# Altium PCB JTAG-批量下载V06.PcbDoc (part 10 of 13) (continued)
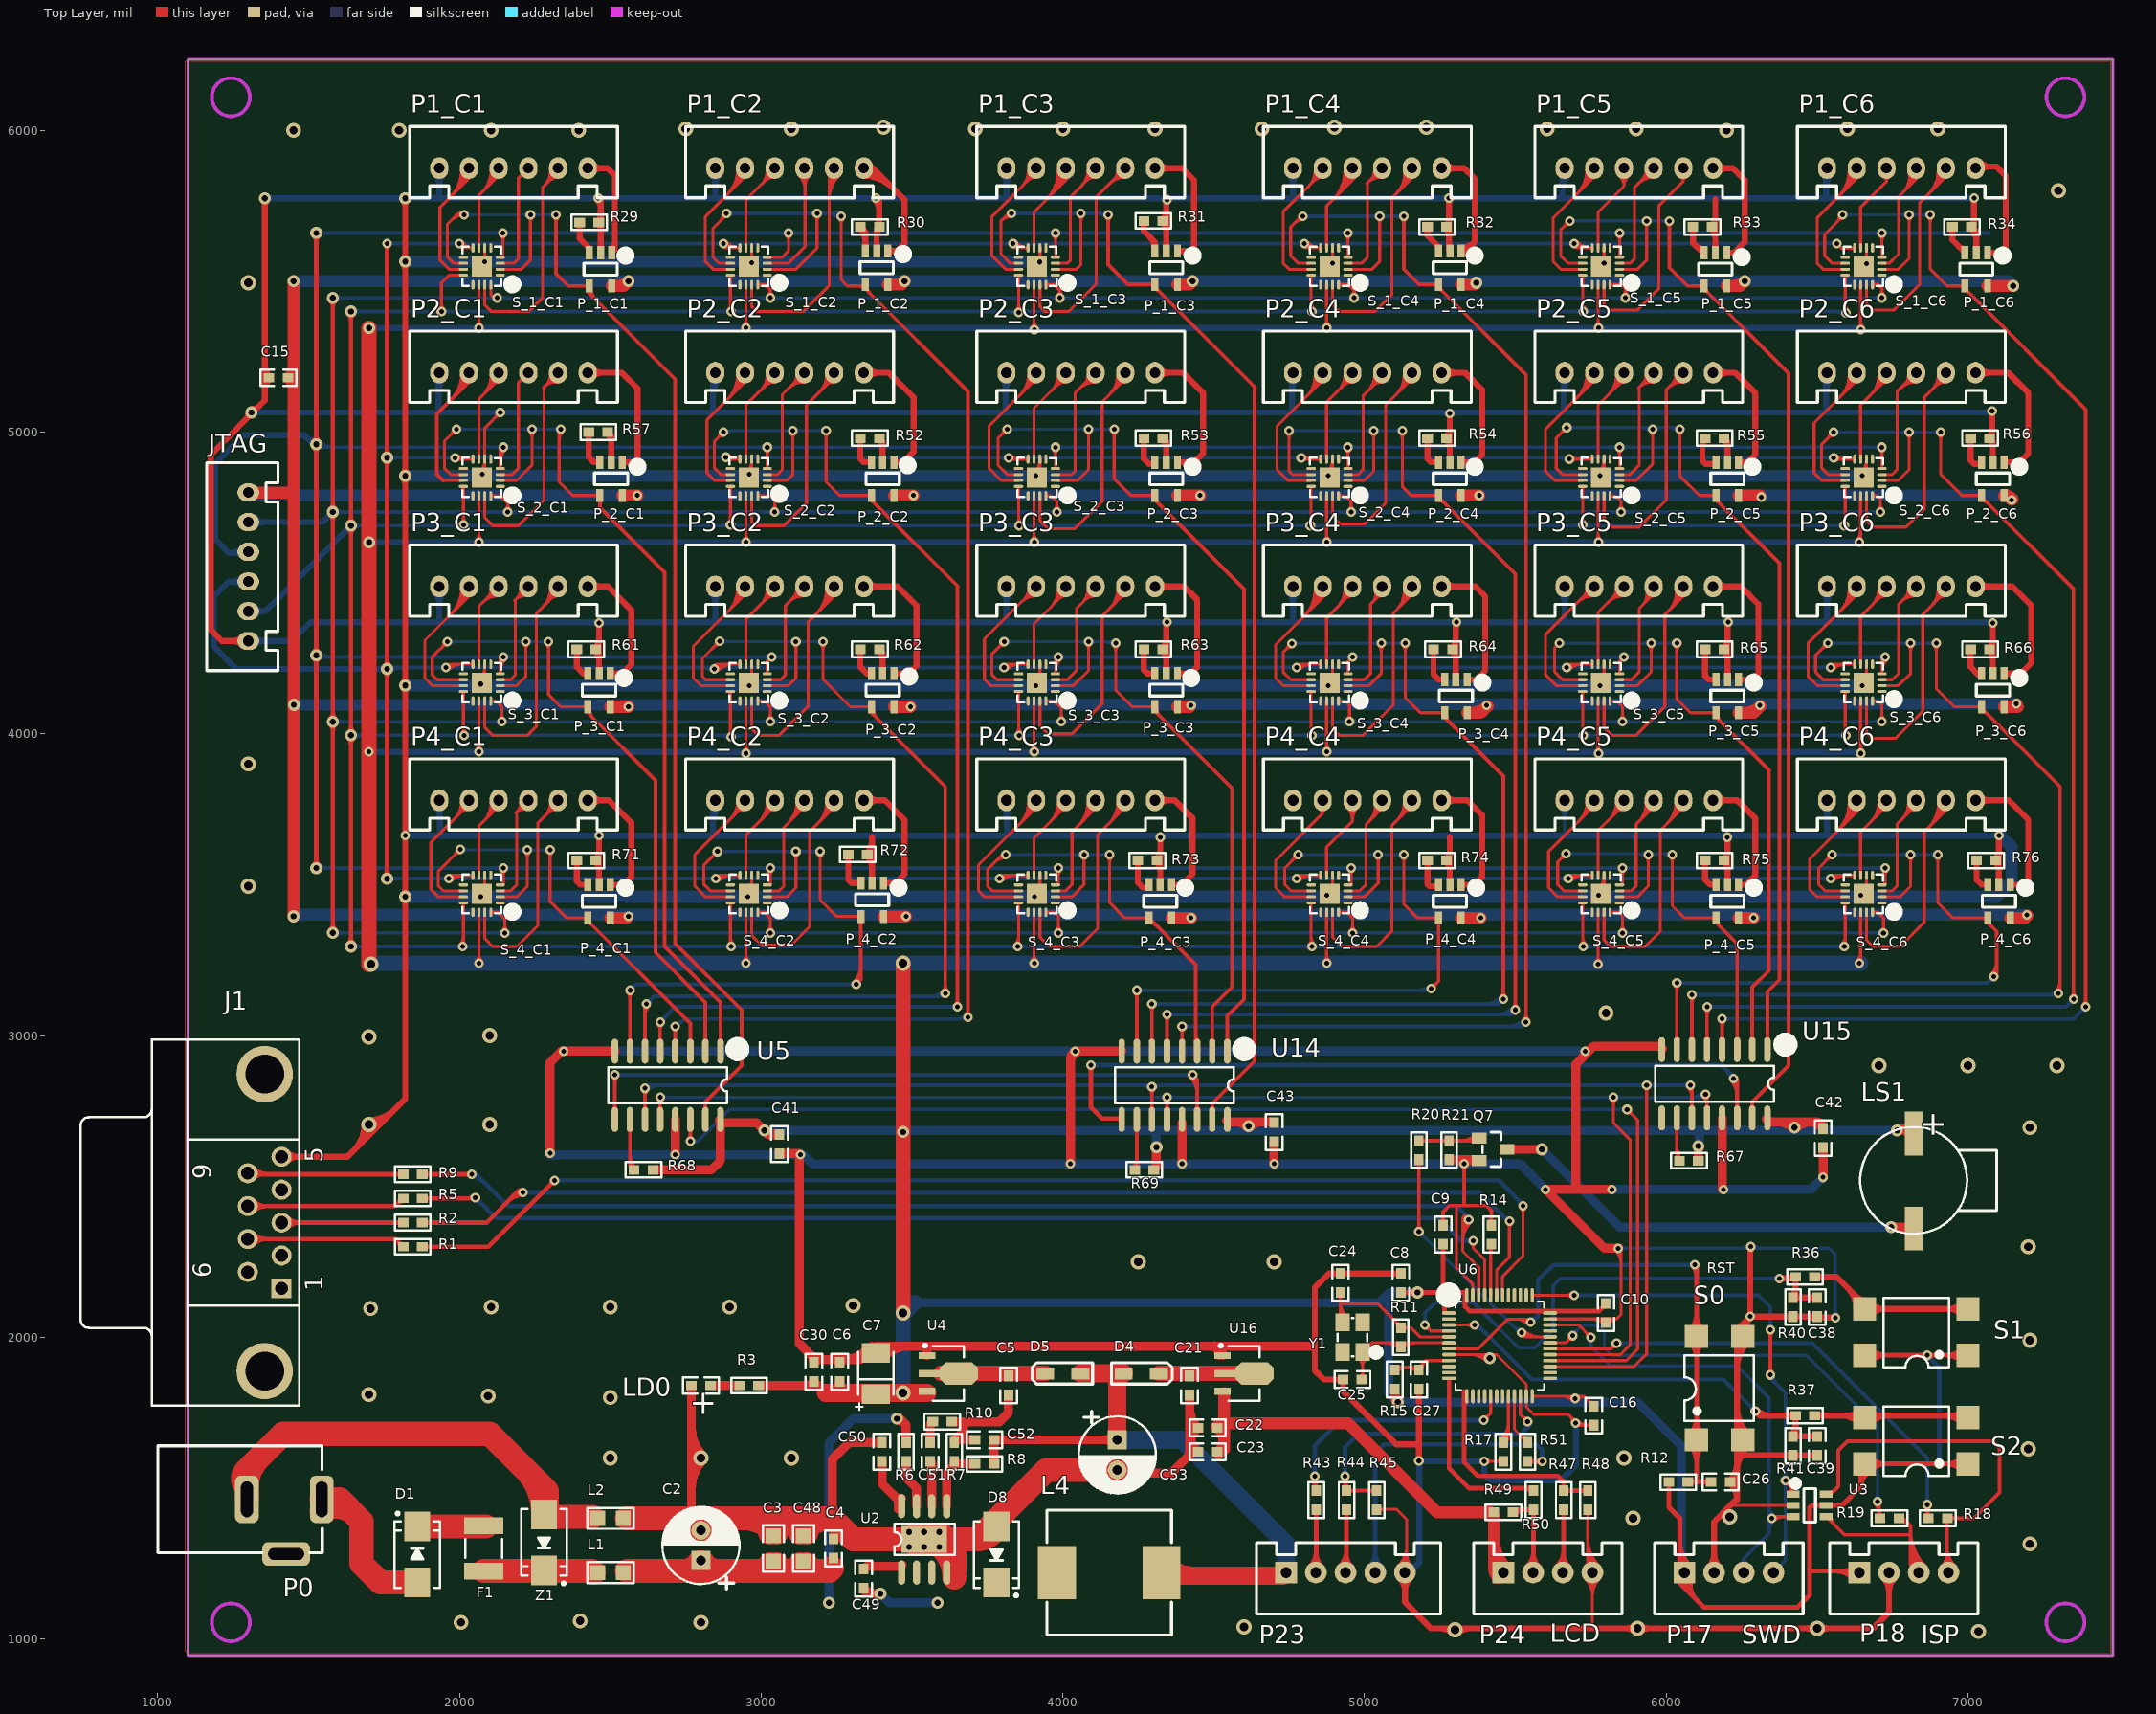
[diagram p0: Top Layer view]
## Nets (pads, with @x,y where several pads share a name; then routed paths per layer and width w, separated by ;. In a path a pad name is that pad's centre, name@x,y a point inside that pad or via, vN(x,y) a via of type N, cw(c..) or ccw(c..) an arc to the next point about the centre after c; other vN are vias at no path point) (continued)
  Bottom Layer w20: JTAG.5@1300,4406.3 1356.3,4406.3 v3(1640,4690) ; 1354.28,4406.3 ccw(c1354.28,4358.02) 1320.14,4392.16 cw(c1354.28,4358.02) 1354.28,4406.3 ; 1354.28,4406.3 cw(c1354.28,4454.58) 1320.14,4420.44 ccw(c1354.28,4454.58) 1354.28,4406.3 ; 1622.93,4672.93 ccw(c1605.86,4690) v3@1630,4690 ; 1622.93,4672.93 cw(c1640,4655.86) v3@1640,4680 ; 1622.93,4672.93 ccw(c1605.86,4690) v3@1630,4690 ; 1622.93,4672.93 cw(c1640,4655.86) v3@1640,4680 ; 1622.93,4672.93 ccw(c1605.86,4690) v3@1630,4690 ; 1622.93,4672.93 cw(c1640,4655.86) v3@1640,4680
  other v1: 2010,3295 2900,3295 3850,3295 4825,3295 5725,3295 6590,3295 2900,3990 2015,3995 3855,3995 4825,3995 5725,3995 6595,3995 3855,4690 4820,4690 6590,4690 6595,5395 2900,5400 4825,5400 5725,5400
JTAG_VDD: C15.1 JTAG.1 P_1_C1.5 P_1_C2.5 P_1_C3.5 P_1_C4.5 P_1_C5.5 P_1_C6.5 P_2_C1.5 P_2_C2.5 P_2_C3.5 P_2_C4.5 P_2_C5.5 P_2_C6.5 P_3_C1.5 P_3_C2.5 P_3_C3.5 P_3_C4.5 P_3_C5.5 P_3_C6.5 P_4_C1.5 P_4_C2.5 P_4_C3.5 P_4_C4.5 P_4_C5.5 P_4_C6.5 | length 28445.1
  Top Layer w40: JTAG.1@1300,4800 1445,4800 ; v3(1450,3395) v3(1450,5500) ; P_4_C1.5@2500,3389.76 v1@2554.76,3389.76 ; P_3_C1.5@2500,4089.76 v1@2559.76,4089.76 ; P_1_C1.5@2505,5484.76 2544.76,5484.76 v3(2560,5500) cw(c2523.22,5536.78) 2523.22,5484.76 ; P_2_C1.5@2540,4789.76 v1@2589.76,4789.76 ; P_4_C2.5@3405,3394.76 v1@3479.76,3394.76 ; P_1_C2.5@3420,5489.76 3464.76,5489.76 v3(3475,5500) ; P_3_C2.5@3440,4089.76 v1@3494.76,4089.76 ; P_2_C2.5@3440,4789.76 v1@3504.76,4789.76 ; P_4_C3.5@4360,3389.76 v1@4424.76,3389.76 ; P_3_C3.5@4380,4089.76 v1@4419.76,4089.76 ; P_2_C3.5@4380,4789.76 v1@4454.76,4789.76 ; P_1_C3.5@4380,5489.76 4419.76,5489.76 v3(4430,5500) ; P_4_C4.5@5320,3389.76 v1@5384.76,3389.76 ; P_2_C4.5@5320,4789.76 v1@5379.76,4789.76 ; P_1_C4.5@5320,5489.76 v3@5364.76,5489.76 ; P_3_C4.5@5340,4069.76 5384.76,4069.76 v1@5405,4090 ; P_1_C5.5@6200,5484.76 6244.76,5484.76 v3(6260,5500) ; P_4_C5.5@6240,3389.76 v1(6290,3389.76) ; P_3_C5.5@6240,4069.76 6289.76,4069.76 v1@6305,4085 ; P_2_C5.5@6240,4789.76 v1@6310.24,4789.76 ; P_1_C6.5@7065,5484.76 v3@7149.76,5484.76 ; P_3_C6.5@7120,4089.76 v1@7164.76,4089.76 ; P_4_C6.5@7140,3389.76 v1@7189.76,3389.76 ; v1(7145,4775) 7130.24,4789.76 P_2_C6.5@7120,4789.76 ; C15.1@1436.47,5176.99 ccw(c1403.81,5209.65) 1450,5209.65 ; C15.1@1436.47,5176.99 ccw(c1403.81,5209.65) 1450,5209.65 ; C15.1@1436.47,5176.99 ccw(c1403.81,5209.65) 1450,5209.65 ; C15.1@1436.47,5183.01 cw(c1403.81,5150.35) 1450,5150.35 ; C15.1@1436.47,5183.01 cw(c1403.81,5150.35) 1450,5150.35 ; C15.1@1436.47,5183.01 cw(c1403.81,5150.35) 1450,5150.35 ; 3450.29,5489.76 ccw(c3450.29,5524.71) v3(3475,5500) ; 3450.29,5489.76 ccw(c3450.29,5524.71) v3(3475,5500) ; 3450.29,5489.76 ccw(c3450.29,5524.71) v3(3475,5500) ; 4405.29,5489.76 ccw(c4405.29,5524.71) v3(4430,5500) ; 4405.29,5489.76 ccw(c4405.29,5524.71) v3(4430,5500) ; 4405.29,5489.76 ccw(c4405.29,5524.71) v3(4430,5500) ; 5353.73,4069.76 ccw(c5353.73,4146.27) v1@5407.83,4092.17 ; 5353.73,4069.76 ccw(c5353.73,4146.27) v1@5407.83,4092.17 ; 5353.73,4069.76 ccw(c5353.73,4146.27) v1@5407.83,4092.17 ; 6223.22,5484.76 ccw(c6223.22,5536.78) v3(6260,5500) ; 6223.22,5484.76 ccw(c6223.22,5536.78) v3(6260,5500) ; 6223.22,5484.76 ccw(c6223.22,5536.78) v3(6260,5500) ; 6258.73,4069.76 ccw(c6258.73,4146.27) v1@6312.83,4092.17 ; 6258.73,4069.76 ccw(c6258.73,4146.27) v1@6312.83,4092.17 ; 6258.73,4069.76 ccw(c6258.73,4146.27) v1@6312.83,4092.17 ; P_2_C6.5@7120,4788.11 cw(c7120,4759.41) v1@7140.3,4779.7 ; P_2_C6.5@7120,4788.11 cw(c7120,4759.41) v1@7140.3,4779.7 ; P_2_C6.5@7120,4788.11 cw(c7120,4759.41) v1@7140.3,4779.7 ; P_2_C6.5@7120,4789.76 cw(c7120,4751.35) v1@7147.91,4777.75 ; P_2_C6.5@7120,4789.76 cw(c7120,4751.35) v1@7147.91,4777.75 ; P_2_C6.5@7120,4789.76 cw(c7120,4751.35) v1@7147.91,4777.75 ; 7144.94,4089.76 ccw(c7144.94,4115.06) v1@7162.83,4097.17 ; 7144.94,4089.76 ccw(c7144.94,4115.06) v1@7162.83,4097.17 ; 7144.94,4089.76 ccw(c7144.94,4115.06) v1@7162.83,4097.17 ; 7179.94,3389.76 ccw(c7179.94,3415.06) v1@7197.83,3397.17 ; 7179.94,3389.76 ccw(c7179.94,3415.06) v1@7197.83,3397.17 ; 7179.94,3389.76 ccw(c7179.94,3415.06) v1@7197.83,3397.17
  Bottom Layer w40: JTAG.1@1310,4790 7130,4790 v1(7145,4775) ; v3@1450,3400 v1@7190,3400 ; v3@1450,4095 1450.89,4095 4425,4097.61 v1(7160,4100) ; v3(1450,5500) 7135,5500 v3(7150,5485) ; 4410.51,3400 cw(c4410.51,3375.51) v1@4427.83,3392.83 ; 4410.51,3400 cw(c4410.51,3375.51) v1@4427.83,3392.83 ; 4410.51,3400 cw(c4410.51,3375.51) v1@4427.83,3392.83 ; v1@4422.17,3392.83 cw(c4439.49,3375.51) 4439.49,3400 ; v1@4422.17,3392.83 cw(c4439.49,3375.51) 4439.49,3400 ; v1@4422.17,3392.83 cw(c4439.49,3375.51) 4439.49,3400 ; 5370.51,3400 cw(c5370.51,3375.51) v1@5387.83,3392.83 ; 5370.51,3400 cw(c5370.51,3375.51) v1@5387.83,3392.83 ; 5370.51,3400 cw(c5370.51,3375.51) v1@5387.83,3392.83 ; v1@5382.17,3392.83 cw(c5399.49,3375.51) 5399.49,3400 ; v1@5382.17,3392.83 cw(c5399.49,3375.51) 5399.49,3400 ; v1@5382.17,3392.83 cw(c5399.49,3375.51) 5399.49,3400 ; 6274.94,3400 cw(c6274.94,3374.71) v1@6292.83,3392.59 ; 6274.94,3400 cw(c6274.94,3374.71) v1@6292.83,3392.59 ; 6274.94,3400 cw(c6274.94,3374.71) v1@6292.83,3392.59 ; v1@6287.17,3392.59 cw(c6305.06,3374.71) 6305.06,3400 ; v1@6287.17,3392.59 cw(c6305.06,3374.71) 6305.06,3400 ; v1@6287.17,3392.59 cw(c6305.06,3374.71) 6305.06,3400 ; v3(7150,5485) ccw(c7113.79,5448.79) 7113.79,5500 cw(c7113.79,5448.79) v3(7150,5485) ; JTAG.1@1313.07,4807.07 ccw(c1354.28,4848.28) 1354.28,4790 cw(c1354.28,4848.28) JTAG.1@1313.07,4807.07 ; 7118.44,4790 cw(c7118.44,4748.44) 7147.83,4777.83 ccw(c7118.44,4748.44) 7118.44,4790
  other v1: 4425,3390 5385,3390 2560,3395 3480,3395 7195,3400 2560,4090 3495,4090 4425,4095 5405,4095 6310,4095 6315,4785 2590,4790 3505,4790 4455,4790 5380,4790
  other v3: 1450.89,4096.07 5370,5495
KEY_1: C38.2 R36.1 R40.1 U6.4 | length 2205
  Top Layer w10: v1@5200,2029 cw(c5200,2002.44) 5218.78,2021.22 cw(c5237.56,2040) v1@5211,2040 ; v1(5200,2040) 5219.06,2020.94 U6.4@5280,2020.94
  Top Layer w20: v1(6375,2195) R36.1@6425,2195 ; R36.1@6428.5,2200 6428.5,2140 R40.1@6420,2131.5 C38.2@6500,2131.5 ; 6400.59,2195 ccw(c6400.59,2225.95) R36.1@6422.47,2204.06 ; 6400.59,2195 ccw(c6400.59,2225.95) R36.1@6422.47,2204.06 ; 6400.59,2195 ccw(c6400.59,2225.95) R36.1@6422.47,2204.06 ; R40.1@6415.94,2137.53 ccw(c6385.59,2167.87) 6428.5,2167.87 ; R40.1@6415.94,2137.53 ccw(c6385.59,2167.87) 6428.5,2167.87 ; R40.1@6415.94,2137.53 ccw(c6385.59,2167.87) 6428.5,2167.87
  Bottom Layer w12: v1(5200,2040) 5200,2080 5235,2115 5360,2115 5510,1965 5565,1965 5625,2025 5625,2170 5650,2195 v1(6375,2195) ; v1@5192.93,2047.07 ccw(c5175.86,2064.14) 5200,2064.14 ; v1@5192.93,2047.07 ccw(c5175.86,2064.14) 5200,2064.14 ; v1@5192.93,2047.07 ccw(c5175.86,2064.14) 5200,2064.14 ; 5200,2064.14 ccw(c5224.14,2064.14) v1@5207.07,2047.07 ; 5200,2064.14 ccw(c5224.14,2064.14) v1@5207.07,2047.07 ; 5200,2064.14 ccw(c5224.14,2064.14) v1@5207.07,2047.07 ; 6350.86,2195 ccw(c6350.86,2219.14) v1@6367.93,2202.07 ; 6350.86,2195 cw(c6350.86,2170.86) v1@6367.93,2187.93 ; 6350.86,2195 ccw(c6350.86,2219.14) v1@6367.93,2202.07 ; 6350.86,2195 cw(c6350.86,2170.86) v1@6367.93,2187.93 ; 6350.86,2195 ccw(c6350.86,2219.14) v1@6367.93,2202.07 ; 6350.86,2195 cw(c6350.86,2170.86) v1@6367.93,2187.93
KEY_2: C39.2 R37.1 R41.1 U6.3 | length 1992.8
  Top Layer w10: U6.3@5280,2040.63 v1(5364.37,2040.63) ; 5337.81,2040.63 ccw(c5337.81,2067.19) v1@5356.59,2048.41 ; 5337.81,2040.63 cw(c5337.81,2014.07) v1@5356.59,2032.85 ; 5337.81,2040.63 ccw(c5337.81,2067.19) v1@5356.59,2048.41 ; 5337.81,2040.63 cw(c5337.81,2014.07) v1@5356.59,2032.85 ; 5337.81,2040.63 ccw(c5337.81,2067.19) v1@5356.59,2048.41 ; 5337.81,2040.63 cw(c5337.81,2014.07) v1@5356.59,2032.85
  Top Layer w20: v1(6295,1755) 6310,1740 R37.1@6428.5,1740 6428.5,1672.99 R41.1@6430,1671.5 ; R41.1@6420,1671.5 C39.2@6500,1671.5 ; v1@6299.24,1759.24 ccw(c6345.7,1805.7) 6345.7,1740 ; v1@6299.24,1759.24 ccw(c6345.7,1805.7) 6345.7,1740 ; v1@6299.24,1759.24 ccw(c6345.7,1805.7) 6345.7,1740 ; R41.1@6415.94,1677.53 ccw(c6385.59,1707.87) 6428.5,1707.87 ; R41.1@6415.94,1677.53 ccw(c6385.59,1707.87) 6428.5,1707.87 ; R41.1@6415.94,1677.53 ccw(c6385.59,1707.87) 6428.5,1707.87
  Bottom Layer w12: v1(5364.37,2040.63) 5374.37,2040.63 5555,1860 6190,1860 v1(6295,1755) ; 6277.93,1772.07 ccw(c6295,1789.14) v1@6295,1765 ; 6277.93,1772.07 cw(c6260.86,1755) v1@6285,1755 ; 6277.93,1772.07 ccw(c6295,1789.14) v1@6295,1765 ; 6277.93,1772.07 cw(c6260.86,1755) v1@6285,1755 ; 6277.93,1772.07 ccw(c6295,1789.14) v1@6295,1765 ; 6277.93,1772.07 cw(c6260.86,1755) v1@6285,1755 ; v1@5364.37,2030.63 cw(c5364.37,1982.35) 5398.51,2016.49 ccw(c5364.37,1982.35) v1@5364.37,2030.63
LCD_RXD: P24.2 R49.1 R50.1 | length 995.7
  Top Layer w10: R49.1@5491.5,1420 R49.1@5500,1428.5
  Top Layer w15: R49.1@5500,1428.5 R50.1@5560,1428.5 P24.2@5560,1221.57 ; R49.1@5499.3,1414.17 cw(c5533.91,1379.56) 5533.91,1428.5 ; R49.1@5499.3,1414.17 cw(c5533.91,1379.56) 5533.91,1428.5 ; R49.1@5499.3,1414.17 cw(c5533.91,1379.56) 5533.91,1428.5 ; P24.2@5538.27,1240.15 ccw(c5485.82,1292.61) 5560,1292.61 ; P24.2@5538.27,1240.15 ccw(c5485.82,1292.61) 5560,1292.61 ; P24.2@5538.27,1240.15 ccw(c5485.82,1292.61) 5560,1292.61 ; 5540.09,1428.5 ccw(c5540.09,1448.42) R50.1@5554.17,1434.34 ; 5540.09,1428.5 cw(c5540.09,1408.59) R50.1@5554.17,1422.67 ; 5540.09,1428.5 ccw(c5540.09,1448.42) R50.1@5554.17,1434.34 ; 5540.09,1428.5 cw(c5540.09,1408.59) R50.1@5554.17,1422.67 ; 5540.09,1428.5 ccw(c5540.09,1448.42) R50.1@5554.17,1434.34 ; 5540.09,1428.5 cw(c5540.09,1408.59) R50.1@5554.17,1422.67 ; P24.2@5548.88,1229.55 ccw(c5522.03,1256.39) 5560,1256.39 ; P24.2@5548.88,1229.55 ccw(c5522.03,1256.39) 5560,1256.39 ; P24.2@5548.88,1229.55 ccw(c5522.03,1256.39) 5560,1256.39 ; R50.1@5554.17,1420.7 cw(c5540.09,1406.62) 5560,1406.62 ; R50.1@5554.17,1420.7 cw(c5540.09,1406.62) 5560,1406.62 ; R50.1@5554.17,1420.7 cw(c5540.09,1406.62) 5560,1406.62 ; 5560,1285 ccw(c5623.43,1285) P24.2@5578.58,1240.15 ; 5560,1285 ccw(c5623.43,1285) P24.2@5578.58,1240.15 ; 5560,1285 ccw(c5623.43,1285) P24.2@5578.58,1240.15 ; 5560,1406.62 cw(c5579.91,1406.62) R50.1@5565.83,1420.7 ; 5560,1406.62 cw(c5579.91,1406.62) R50.1@5565.83,1420.7 ; 5560,1406.62 cw(c5579.91,1406.62) R50.1@5565.83,1420.7
LCD_TXD: P24.3 R47.1 | length 725.6
  Top Layer w15: P24.3@5660,1223.15 R47.1@5660,1428.5 ; P24.3@5636.7,1240.15 ccw(c5580.44,1296.41) 5660,1296.41 ; P24.3@5636.7,1240.15 ccw(c5580.44,1296.41) 5660,1296.41 ; P24.3@5636.7,1240.15 ccw(c5580.44,1296.41) 5660,1296.41 ; P24.3@5647.3,1229.55 ccw(c5616.65,1260.2) 5660,1260.2 ; P24.3@5647.3,1229.55 ccw(c5616.65,1260.2) 5660,1260.2 ; P24.3@5647.3,1229.55 ccw(c5616.65,1260.2) 5660,1260.2 ; R47.1@5654.17,1420.7 cw(c5640.09,1406.62) 5660,1406.62 ; R47.1@5654.17,1420.7 cw(c5640.09,1406.62) 5660,1406.62 ; R47.1@5654.17,1420.7 cw(c5640.09,1406.62) 5660,1406.62 ; 5660,1281.2 ccw(c5718.05,1281.2) P24.3@5677,1240.15 ; 5660,1281.2 ccw(c5718.05,1281.2) P24.3@5677,1240.15 ; 5660,1281.2 ccw(c5718.05,1281.2) P24.3@5677,1240.15 ; 5660,1406.62 cw(c5679.91,1406.62) R47.1@5665.83,1420.7 ; 5660,1406.62 cw(c5679.91,1406.62) R47.1@5665.83,1420.7 ; 5660,1406.62 cw(c5679.91,1406.62) R47.1@5665.83,1420.7
MCU_RX1: R19.2 U6.31 | length 2046.8
  Top Layer w10: U6.31@5614.65,1981.57 5666.57,1981.57 v1(5690,2005) ; v1@5679,2005 cw(c5652.44,2005) 5671.22,1986.22 cw(c5690,1967.44) v1@5690,1994
  Top Layer w12: R19.2@6705,1395 v1@6705,1450 ; v1@6692.93,1447.93 cw(c6663.79,1418.79) 6705,1418.79 ; v1@6692.93,1447.93 cw(c6663.79,1418.79) 6705,1418.79 ; v1@6692.93,1447.93 cw(c6663.79,1418.79) 6705,1418.79 ; R19.2@6699.64,1406.89 ccw(c6686.71,1419.83) 6705,1419.83 ; R19.2@6699.64,1406.89 ccw(c6686.71,1419.83) 6705,1419.83 ; R19.2@6699.64,1406.89 ccw(c6686.71,1419.83) 6705,1419.83 ; 6705,1427.24 ccw(c6733.78,1427.24) R19.2@6713.43,1406.89 ; 6705,1427.24 ccw(c6733.78,1427.24) R19.2@6713.43,1406.89 ; 6705,1427.24 ccw(c6733.78,1427.24) R19.2@6713.43,1406.89
  Bottom Layer w10: v1(5690,2005) 5690,2010 5720,2040 5775,2040 5795,2020 5795,1965 5820,1940 6465,1940 6700,1705 v1(6700,1455) ; v1@5690,2016 ccw(c5690,2030.49) 5700.24,2020.24 ; v1@5690,2016 ccw(c5690,2030.49) 5700.24,2020.24 ; v1@5690,2016 ccw(c5690,2030.49) 5700.24,2020.24 ; v1@5701,2005 cw(c5739.63,2005) 5712.31,2032.31 ; v1@5701,2005 cw(c5739.63,2005) 5712.31,2032.31 ; v1@5701,2005 cw(c5739.63,2005) 5712.31,2032.31 ; 6700,1481.56 ccw(c6726.56,1481.56) 6707.78,1462.78 cw(c6726.56,1481.56) 6700,1481.56 ; 6700,1481.56 cw(c6673.44,1481.56) 6692.22,1462.78 ccw(c6673.44,1481.56) 6700,1481.56
MCU_RX2: R47.2 R48.2 U6.13 | length 1003.2
  Top Layer w15: 5330,1768.68 cw(c5357.07,1768.68) U6.13@5337.93,1787.82 ; 5330,1820 5330,1585 5375,1540 5640,1540 5660,1520 R47.2@5660,1491.5 R48.2@5740,1491.5 ; R47.2@5654.17,1499.3 ccw(c5640.09,1513.38) 5660,1513.38 ; R47.2@5654.17,1499.3 ccw(c5640.09,1513.38) 5660,1513.38 ; R47.2@5654.17,1499.3 ccw(c5640.09,1513.38) 5660,1513.38 ; 5660,1513.38 ccw(c5679.91,1513.38) R47.2@5665.83,1499.3 ; 5660,1513.38 ccw(c5679.91,1513.38) R47.2@5665.83,1499.3 ; 5660,1513.38 ccw(c5679.91,1513.38) R47.2@5665.83,1499.3 ; R47.2@5665.83,1485.66 cw(c5679.91,1471.58) 5679.91,1491.5 ; R47.2@5665.83,1485.66 cw(c5679.91,1471.58) 5679.91,1491.5 ; R47.2@5665.83,1485.66 cw(c5679.91,1471.58) 5679.91,1491.5 ; R47.2@5665.83,1497.33 ccw(c5679.91,1511.41) 5679.91,1491.5 ; R47.2@5665.83,1497.33 ccw(c5679.91,1511.41) 5679.91,1491.5 ; R47.2@5665.83,1497.33 ccw(c5679.91,1511.41) 5679.91,1491.5 ; 5720.09,1491.5 ccw(c5720.09,1511.41) R48.2@5734.17,1497.33 ; 5720.09,1491.5 cw(c5720.09,1471.58) R48.2@5734.17,1485.66 ; 5720.09,1491.5 ccw(c5720.09,1511.41) R48.2@5734.17,1497.33 ; 5720.09,1491.5 cw(c5720.09,1471.58) R48.2@5734.17,1485.66 ; 5720.09,1491.5 ccw(c5720.09,1511.41) R48.2@5734.17,1497.33 ; 5720.09,1491.5 cw(c5720.09,1471.58) R48.2@5734.17,1485.66
MCU_RX3: R44.2 R45.2 U6.22 | length 1756.6
  Top Layer w10: U6.22@5516.22,1804.41 5516.22,1743.78 v1(5540,1720) ; v1@5529,1720 ccw(c5502.44,1720) 5521.22,1738.78 ccw(c5540,1757.56) v1@5540,1731
  Top Layer w12: R44.2@4935,1495 v1(4935,1540) ; R44.2@4940,1491.5 5036.5,1491.5 R45.2@5045,1500 ; v1@4927.93,1532.93 cw(c4910.86,1515.86) 4935,1515.86 ; v1@4927.93,1532.93 cw(c4910.86,1515.86) 4935,1515.86 ; v1@4927.93,1532.93 cw(c4910.86,1515.86) 4935,1515.86 ; 4935,1515.86 cw(c4959.14,1515.86) v1@4942.07,1532.93 ; 4935,1515.86 cw(c4959.14,1515.86) v1@4942.07,1532.93 ; 4935,1515.86 cw(c4959.14,1515.86) v1@4942.07,1532.93 ; v1@4935,1529.07 ccw(c4975.6,1529.07) R44.2@4946.89,1500.36 ; v1@4935,1529.07 ccw(c4975.6,1529.07) R44.2@4946.89,1500.36 ; v1@4935,1529.07 ccw(c4975.6,1529.07) R44.2@4946.89,1500.36 ; R44.2@4946.89,1484.6 cw(c4963.53,1467.96) 4963.53,1491.5 ; R44.2@4946.89,1484.6 cw(c4963.53,1467.96) 4963.53,1491.5 ; R44.2@4946.89,1484.6 cw(c4963.53,1467.96) 4963.53,1491.5 ; R44.2@4946.89,1498.39 ccw(c4963.53,1515.03) 4963.53,1491.5 ; R44.2@4946.89,1498.39 ccw(c4963.53,1515.03) 4963.53,1491.5 ; R44.2@4946.89,1498.39 ccw(c4963.53,1515.03) 4963.53,1491.5 ; 5016.47,1491.5 ccw(c5016.47,1515.03) R45.2@5033.11,1498.39 ; 5016.47,1491.5 cw(c5016.47,1467.96) R45.2@5033.11,1484.6 ; 5016.47,1491.5 ccw(c5016.47,1515.03) R45.2@5033.11,1498.39 ; 5016.47,1491.5 cw(c5016.47,1467.96) R45.2@5033.11,1484.6 ; 5016.47,1491.5 ccw(c5016.47,1515.03) R45.2@5033.11,1498.39 ; 5016.47,1491.5 cw(c5016.47,1467.96) R45.2@5033.11,1484.6
  Bottom Layer w15: v1(4935,1540) 4935,1635 4980,1680 5520,1680 5540,1700 ; v1(5540,1720) 5540,1700 ; v1@4928.99,1546.01 ccw(c4914.48,1560.52) 4935,1560.52 ; v1@4928.99,1546.01 ccw(c4914.48,1560.52) 4935,1560.52 ; v1@4928.99,1546.01 ccw(c4914.48,1560.52) 4935,1560.52 ; 4935,1560.52 ccw(c4955.52,1560.52) v1@4941.01,1546.01 ; 4935,1560.52 ccw(c4955.52,1560.52) v1@4941.01,1546.01 ; 4935,1560.52 ccw(c4955.52,1560.52) v1@4941.01,1546.01 ; v1@5534.1,1713.88 cw(c5520.72,1700) 5540,1700 ; v1@5534.1,1713.88 cw(c5520.72,1700) 5540,1700 ; v1@5534.1,1713.88 cw(c5520.72,1700) 5540,1700 ; 5540,1700 cw(c5559.28,1700) v1@5545.9,1713.88 ; 5540,1700 cw(c5559.28,1700) v1@5545.9,1713.88 ; 5540,1700 cw(c5559.28,1700) v1@5545.9,1713.88 ; 5530,1690 ccw(c5515.51,1704.49) 5532.82,1715.45 cw(c5515.51,1704.49) 5530,1690 ; 5543.25,1703.25 ccw(c5531.74,1714.76) 5545.49,1723.48 cw(c5531.74,1714.76) 5543.25,1703.25
MCU_TX1: R18.2 U6.30 | length 2106.9
  Top Layer w10: U6.30@5614.65,1961.89 5816.89,1961.89 ; v1@5824,1979.71 cw(c5799.7,1979.08) 5816.89,1961.89 ; v1@5834.71,1969 ccw(c5834.08,1944.7) 5816.89,1961.89 ; v1(5835,1980) 5816.89,1961.89
  Top Layer w12: R18.2@6865,1400 v1(6865,1445) ; v1@6857.93,1437.93 cw(c6840.86,1420.86) 6865,1420.86 ; v1@6857.93,1437.93 cw(c6840.86,1420.86) 6865,1420.86 ; v1@6857.93,1437.93 cw(c6840.86,1420.86) 6865,1420.86 ; R18.2@6859.64,1406.89 ccw(c6846.71,1419.83) 6865,1419.83 ; R18.2@6859.64,1406.89 ccw(c6846.71,1419.83) 6865,1419.83 ; R18.2@6859.64,1406.89 ccw(c6846.71,1419.83) 6865,1419.83 ; 6865,1420.86 cw(c6889.14,1420.86) v1@6872.07,1437.93 ; 6865,1420.86 cw(c6889.14,1420.86) v1@6872.07,1437.93 ; 6865,1420.86 cw(c6889.14,1420.86) v1@6872.07,1437.93 ; 6865,1427.24 ccw(c6893.78,1427.24) R18.2@6873.43,1406.89 ; 6865,1427.24 ccw(c6893.78,1427.24) R18.2@6873.43,1406.89 ; 6865,1427.24 ccw(c6893.78,1427.24) R18.2@6873.43,1406.89
  Bottom Layer w12: v1(5835,1980) 6485,1980 6865,1600 v1(6865,1445) ; v1@5842.07,1972.93 cw(c5859.14,1955.86) 5859.14,1980 ; v1@5842.07,1972.93 cw(c5859.14,1955.86) 5859.14,1980 ; v1@5842.07,1972.93 cw(c5859.14,1955.86) 5859.14,1980 ; v1@5842.07,1987.07 ccw(c5859.14,2004.14) 5859.14,1980 ; v1@5842.07,1987.07 ccw(c5859.14,2004.14) 5859.14,1980 ; v1@5842.07,1987.07 ccw(c5859.14,2004.14) 5859.14,1980 ; v1@6857.93,1452.07 ccw(c6840.86,1469.14) 6865,1469.14 ; v1@6857.93,1452.07 ccw(c6840.86,1469.14) 6865,1469.14 ; v1@6857.93,1452.07 ccw(c6840.86,1469.14) 6865,1469.14 ; 6865,1469.14 ccw(c6889.14,1469.14) v1@6872.07,1452.07 ; 6865,1469.14 ccw(c6889.14,1469.14) v1@6872.07,1452.07 ; 6865,1469.14 ccw(c6889.14,1469.14) v1@6872.07,1452.07
MCU_TX2: R50.2 U6.12 | length 704.9
  Top Layer w15: U6.12@5280,1860 5280,1565 5345,1500 5551.5,1500 R50.2@5560,1491.5 ; 5524.31,1500 cw(c5524.31,1457.77) R50.2@5554.17,1487.63 ; 5524.31,1500 cw(c5524.31,1457.77) R50.2@5554.17,1487.63 ; 5524.31,1500 cw(c5524.31,1457.77) R50.2@5554.17,1487.63
MCU_TX3: R51.2 U6.21 | length 293.2
  Top Layer w10: U6.21@5496.54,1804.41 5496.54,1694.96 R51.2@5540,1651.5 ; 5518.29,1673.2 ccw(c5540,1694.91) R51.2@5540,1664.21 ; 5518.29,1673.2 ccw(c5540,1694.91) R51.2@5540,1664.21 ; 5518.29,1673.2 ccw(c5540,1694.91) R51.2@5540,1664.21 ; 5523.04,1668.45 cw(c5508.06,1653.46) R51.2@5529.25,1653.46 ; 5523.04,1668.45 cw(c5508.06,1653.46) R51.2@5529.25,1653.46 ; 5523.04,1668.45 cw(c5508.06,1653.46) R51.2@5529.25,1653.46
NetC5_1: C5.1 D5.2 U4.2 | length 742.9
  Top Layer w40: U4.2@3587.83,1880 ccw(c3587.83,1922.01) U4.2@3617.54,1892.3 ; U4.2@3587.83,1880 cw(c3587.83,1837.99) U4.2@3617.54,1867.7 ; U4.2@3587.83,1880 ccw(c3587.83,1922.01) U4.2@3617.54,1892.3 ; U4.2@3587.83,1880 cw(c3587.83,1837.99) U4.2@3617.54,1867.7 ; U4.2@3587.83,1880 ccw(c3587.83,1922.01) U4.2@3617.54,1892.3 ; U4.2@3587.83,1880 cw(c3587.83,1837.99) U4.2@3617.54,1867.7 ; U4.2@3693.33,1867.7 cw(c3723.03,1837.99) 3723.03,1880 ; U4.2@3693.33,1867.7 cw(c3723.03,1837.99) 3723.03,1880 ; U4.2@3693.33,1867.7 cw(c3723.03,1837.99) 3723.03,1880 ; U4.2@3693.33,1892.3 ccw(c3723.03,1922.01) 3723.03,1880 ; U4.2@3693.33,1892.3 ccw(c3723.03,1922.01) 3723.03,1880 ; U4.2@3693.33,1892.3 ccw(c3723.03,1922.01) 3723.03,1880
  Top Layer w50: U4.2@3595,1880 D5.2@3941.93,1880